# Altium PCB 2-quilter-output.PcbDoc (part 3 of 26) (continued)
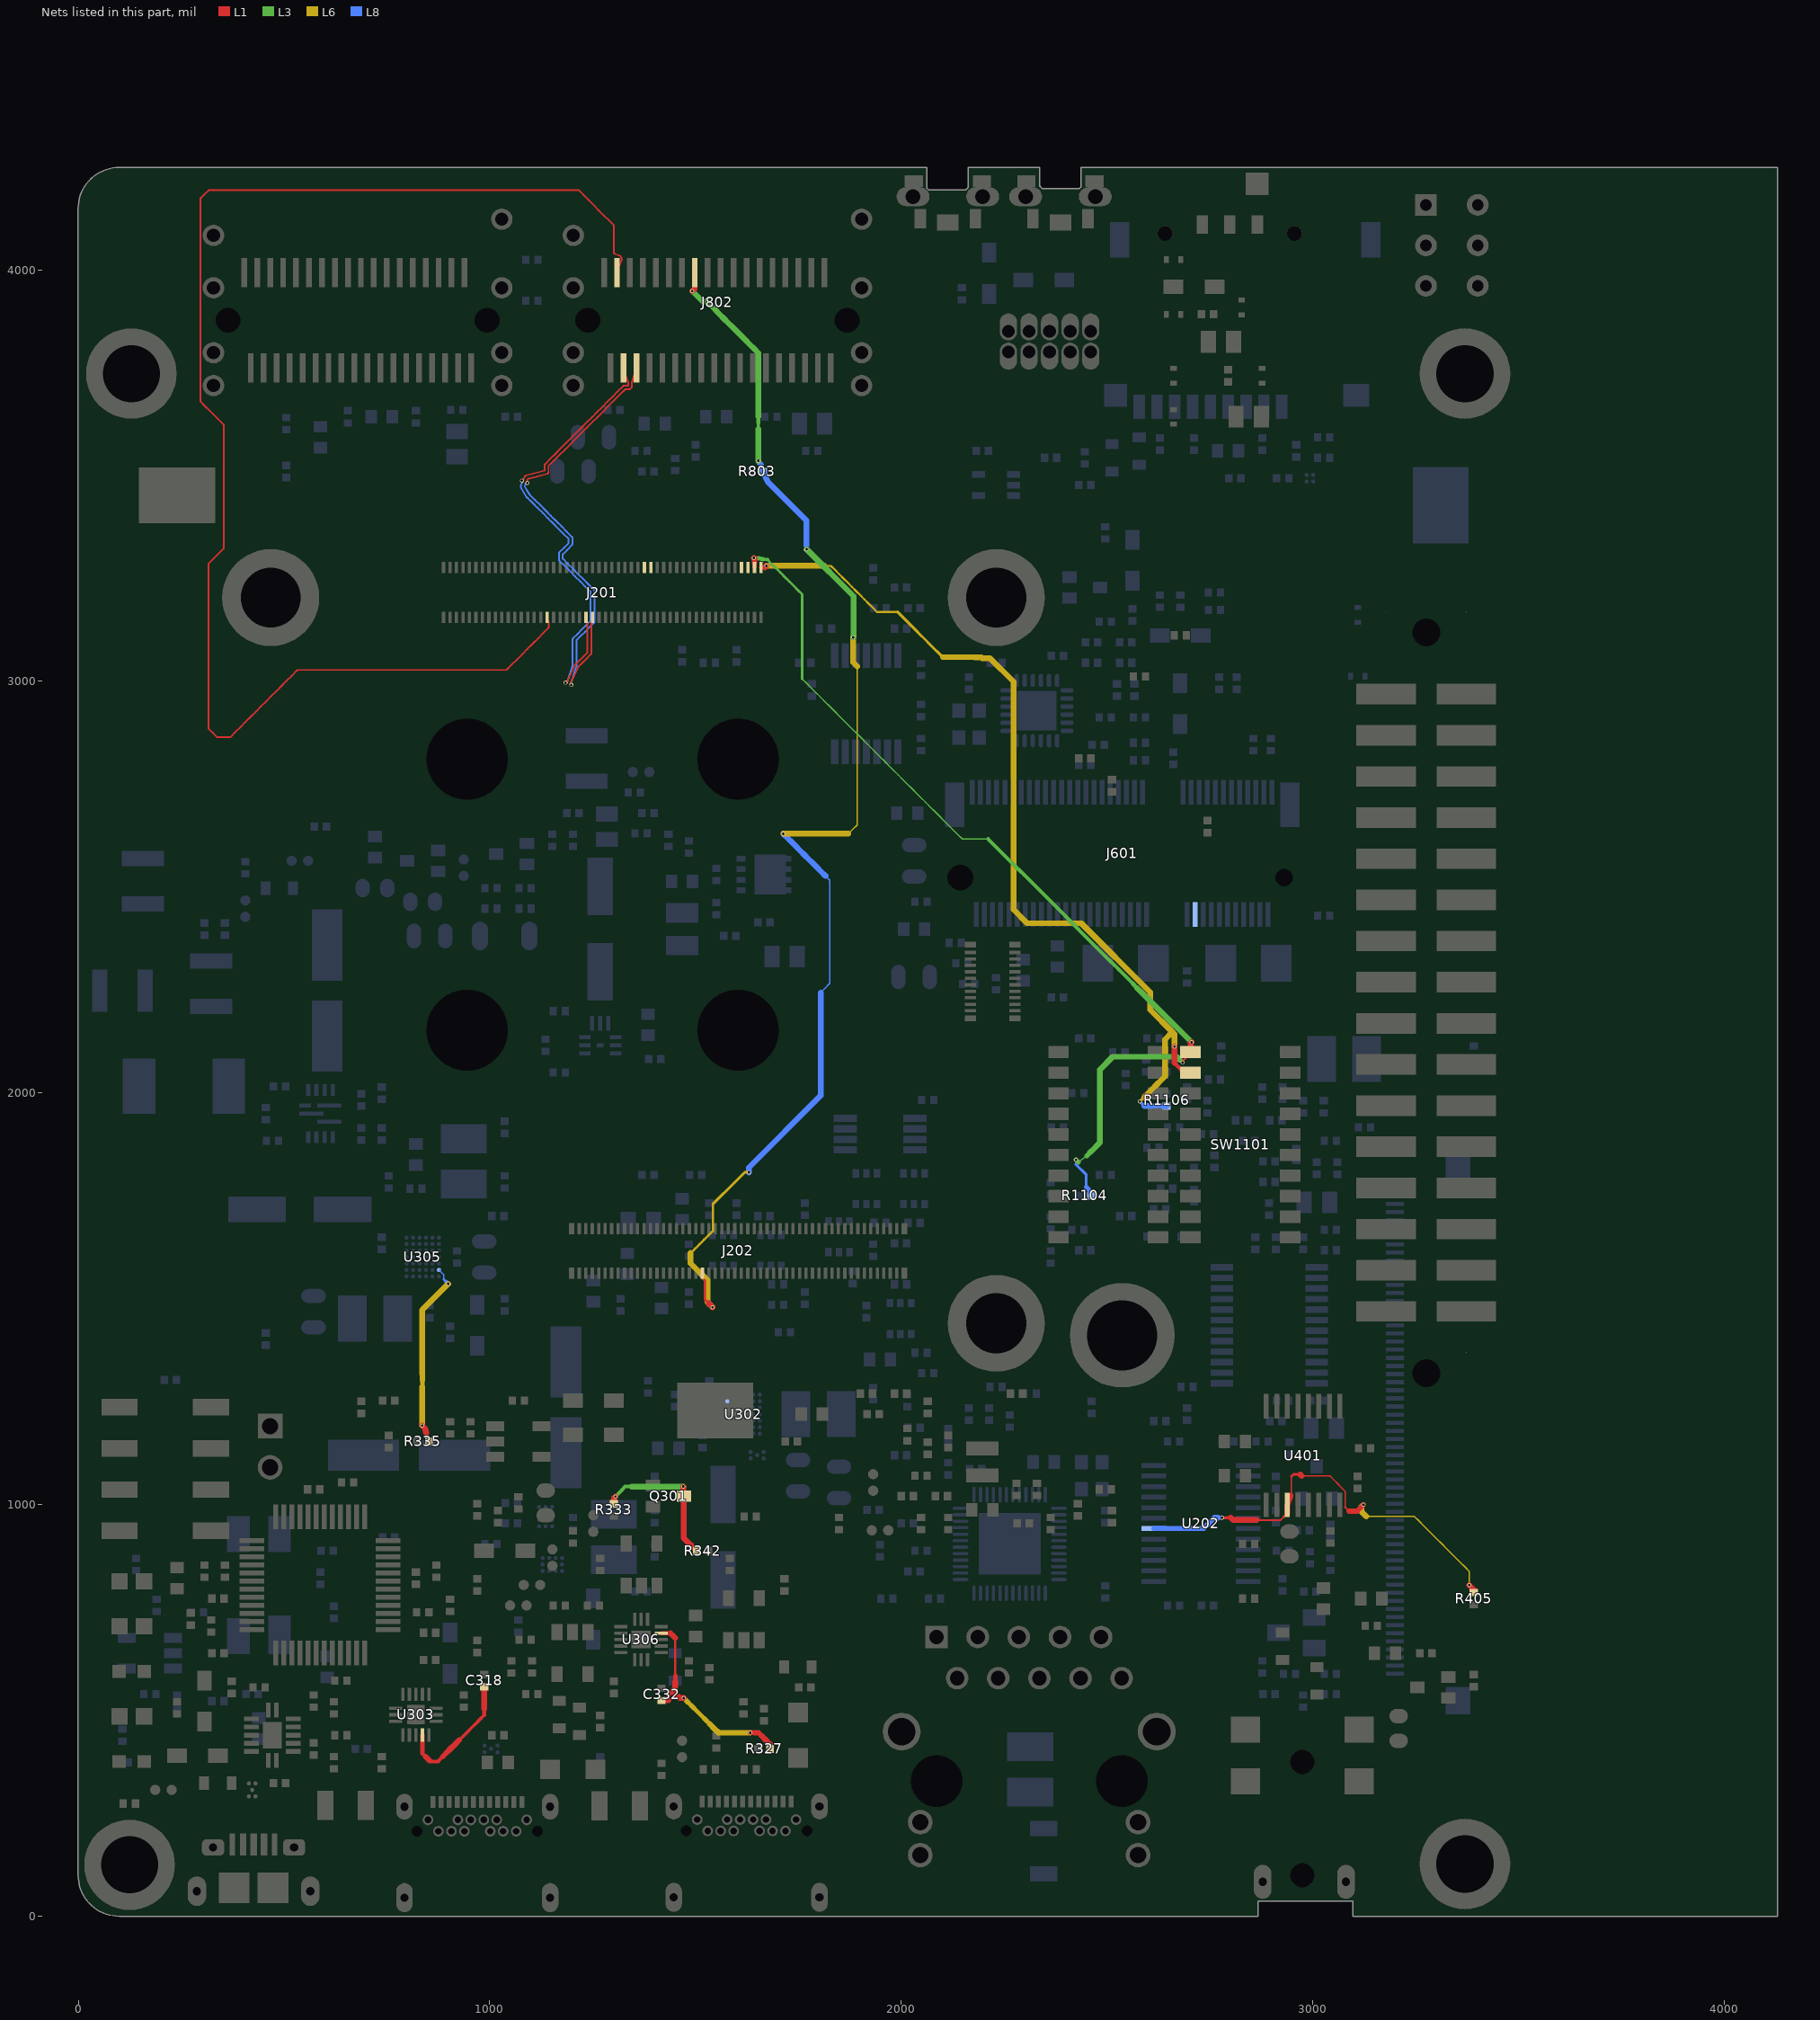
[diagram p9: the nets of this part, all layers, seen from the top]
## Part data (continued)
  C907: Part Reference=C907
  C908: Part Reference=C908
C920: library part CAP_NP, "CAP CER 0.033UF 10V 10% X7R 0402", AGILE_PN=150-80119, CAD_APPROVED=Yes, CLASS=DISCRETE, ClassName="C-14 Debug", FPLIST=CC0402_25,CC0402_HD,0402_CC, HEIGHT=0.55MM, MFG_NAME01="WALSIN TECHNOLOGY CORP.", MFG_PN01=0402B333K100CT, Part Reference=C920, PCB Footprint=0402_CC, RoHS=Yes
C1001: library part CAP_NP, "CAP CER 10UF 50V 10% X7R 1210", Tolerance=10%, Voltage=50V, AGILE_PN=150-78957, CAD_APPROVED=Yes, CLASS=DISCRETE, ClassName="C-15 Expansion CN Bot", FPLIST=CC1210,1210_CC, HEIGHT="2.8 MM", MFG_NAME01=MURATA, MFG_PN01=GRM32ER71H106KA12, Part Reference=C1001, PCB Footprint=CC1210, RoHS=Yes
D101: library part ZDIODE, "DIODE ZNR 200mA 2.4V AEC-Q101 SOD-523", Temp_Range="-65 to + 150¡ãC", AGILE_PN=480-79861, ASSY_OPT=DNP, CAD_APPROVED=Yes, CLASS=IC, ClassName="C-06 Power Bot", HEIGHT="0.65 MM", MFG_NAME01=NEXPERIA, MFG_PN01=BZX585-B2V4, Part Reference=D101, PCB Footprint=SOD523, RoHS=Yes
D301 D303: library part DIODE_TVS, "DIODE TVS 20V 400W AEC-Q101 SOD123W", AGILE_PN=480-79920, CAD_APPROVED=Yes, CLASS=IC, ClassName="C-08 USB TYPE-C DRP", HEIGHT=1.1MM, MFG_NAME01=Nexperia, MFG_PN01=PTVS20VS1UR, PCB Footprint=sod123w, RoHS=Yes
  D301: Part Reference=D301
  D303: Part Reference=D303
D308 D309 D310 D311 D312 D313 D601 D602 D603 D709 D907 D908 D909 D910: library part DIODE_SCHTKY, "DIODE SCH PWR RECT LOW VF 1A 20V SOD323", AGILE_PN=480-77923, CAD_APPROVED=Yes, CLASS=IC, HEIGHT=1.1MM, MFG_NAME01="ON Semiconductor", MFG_PN01=NSR0320MW2T1G, PCB Footprint=SOD323, RoHS=Yes
  D308: ClassName="C-08 USB TYPE-C DRP Bot 1", Part Reference=D308
  D309: ClassName="C-08 USB TYPE-C DRP Bot 1", Part Reference=D309
  D310: ClassName="C-08 USB TYPE-C DRP", Part Reference=D310
  D311: ClassName="C-08 USB TYPE-C DRP", Part Reference=D311
  D312: ClassName="C-08 USB TYPE-C DRP", Part Reference=D312
  D313: ClassName="C-08 USB TYPE-C DRP Bot 2", Part Reference=D313
  D601: ClassName="C-11 PCIe Bot", Part Reference=D601
  D602: ClassName="C-11 PCIe Bot", Part Reference=D602
  D603: ASSY_OPT=DNP, ClassName="C-11 PCIe Bot", Part Reference=D603
  D709: ClassName="C-12 MicroSD_Infrared_LED_BTN", Part Reference=D709
  D907: ClassName="C-14 Debug Bot 2", Part Reference=D907
  D908: ClassName="C-14 Debug Bot 2", Part Reference=D908
  D909: ClassName="C-14 Debug", Part Reference=D909
  D910: ClassName="C-14 Debug", Part Reference=D910
D702 D703 D704 D705 D706 D707 D1001 D1002: library part DIODE_TVS, "DIODE TVS ESD PROT ULT LOW CAP 5-5.4V SOD-923", AGILE_PN=480-77934, ASSY_OPT=DNP, CAD_APPROVED=Yes, CLASS=IC, HEIGHT=0.40MM, MFG_NAME01="ON SEMICONDUCTOR", MFG_PN01=ESD9L5.0ST5G, PCB Footprint=sod-923, RoHS=Yes
  D702: ClassName="C-12 MicroSD_Infrared_LED_BTN", Part Reference=D702
  D703: ClassName="C-12 MicroSD_Infrared_LED_BTN", Part Reference=D703
  D704: ClassName="C-12 MicroSD_Infrared_LED_BTN", Part Reference=D704
  D705: ClassName="C-12 MicroSD_Infrared_LED_BTN", Part Reference=D705
  D706: ClassName="C-12 MicroSD_Infrared_LED_BTN", Part Reference=D706
  D707: ClassName="C-12 MicroSD_Infrared_LED_BTN", Part Reference=D707
  D1001: ClassName="C-15 Expansion CN Bot 2", Part Reference=D1001
  D1002: ClassName="C-15 Expansion CN Bot 2", Part Reference=D1002
D708: library part LED, "LED RED SGL 25MA 0603", AGILE_PN=370-76658, CAD_APPROVED=Yes, CLASS=IC, ClassName="C-12 MicroSD_Infrared_LED_BTN", HEIGHT="0.8 MM", MFG_NAME01=DIALIGHT, MFG_PN01=598-8010-107F, Part Reference=D708, PCB Footprint=LED_0603, RoHS=Yes
D902 D906: library part LED, "LED GRN SGL 25MA SMT 0603", AGILE_PN=370-76672, CAD_APPROVED=Yes, CLASS=IC, ClassName="C-14 Debug", HEIGHT="0.8 MM", MFG_NAME01=DIALIGHT, MFG_PN01=598-8070-107F, PCB Footprint=LED_0603, RoHS=Yes
  D902: Part Reference=D902
  D906: Part Reference=D906
D903 D905: library part LED, "LED OR SGL 20MA 0603", AGILE_PN=370-76572, CAD_APPROVED=Yes, CLASS=IC, ClassName="C-14 Debug", HEIGHT=0.28MM, MFG_NAME01=KINGBRIGHT, MFG_PN01=APG1608SEKC/T, PCB Footprint=led_0603_11mil, RoHS=Yes
  D903: Part Reference=D903
  D905: Part Reference=D905
F301 F302: library part FUSE, "FUSE HIGH I2T 7A 32V 1206", AGILE_PN=510-77913, CAD_APPROVED=Yes, CLASS=DISCRETE, ClassName="C-08 USB TYPE-C DRP", HEIGHT=0.8639MM, MFG_NAME01=LITTELFUSE, MFG_PN01=0440007.WR, PCB Footprint=fuse_3p4x1p8, RoHS=Yes
  F301: Part Reference=F301
  F302: Part Reference=F302
J101: library part CONN_HDR_2X1, "HDR 1X2 TH 100MIL SP 339H AU 98L", AGILE_PN=210-75439, ASSY_OPT=DNP, CAD_APPROVED=YES, CLASS=IO, ClassName="C-06 Power 2", FPLIST=HDR102,SH_HDR102_BOTTOM, HEIGHT="8.71 MM", MFG_NAME01=SAMTEC, MFG_PN01=TSW-102-07-G-S, Part Reference=J101, PCB Footprint=HDR102, RoHS=Yes
J201: library part HDR_2X50_M, "CON 2X50 SKT SHRD SMT 0.4MM SP 65H AU", Temp_Range="-35C to +85C", AGILE_PN=211-80183, CAD_APPROVED=Yes, CLASS=IO, ClassName="C-07 CPU IO INTERFACE", HEIGHT="1.65 MM", MFG_NAME01=Hirose, MFG_PN01=DF40C-100DS-0.4V(51), Part Reference=J201, PCB Footprint=con100_0p4_22p8x3p1_sm, RoHS=Yes
J202: library part HDR_2X50_M, "CON 2X50 PLUG SHRD SMT 0.4MM SP 51H AU", Temp_Range="-35 to 85 &#8451;", AGILE_PN=211-80305, CAD_APPROVED=Yes, CLASS=IO, ClassName="C-07 CPU IO INTERFACE", HEIGHT=1.29MM, MFG_NAME01=Hirose, MFG_PN01=DF40C-100DP-0.4V(51), Part Reference=J202, PCB Footprint=con100_0p4_21p7x2p05_sm, RoHS=Yes
J203: library part CONN_HDR_10X2, "CON 2X10  PLUG SHRD SMT 0.4MM SP 65H AU", Temp_Range="-35C to 85C", AGILE_PN=211-80329, CAD_APPROVED=Yes, CLASS=IO, ClassName="C-07 CPU IO INTERFACE", HEIGHT=1.29MM, MFG_NAME01=Hirose, MFG_PN01=DF40C-20DP-0.4V(51), Part Reference=J203, PCB Footprint=con20_0p4_5p7x2p05_sm, RoHS=Yes
J301 J302: library part USB24_TYPEC_SH4, "CON 24 USB TYPE C RA SHLD HYBRID SMT-TH 0.5MM SP 134H AU", Temp_Range="-55¡ãC to +105¡ãC", AGILE_PN=211-80175, CAD_APPROVED=Yes, CLASS=IO, ClassName="C-08 USB TYPE-C DRP", HEIGHT="3.41 MM", MFG_NAME01="ANYTRONIC CORPORATION LIMITED", MFG_PN01=23K20101#LCP-582RF, PCB Footprint=con24_usb_typec_ra_smt_th, RoHS=Yes
  J301: Part Reference=J301
  J302: Part Reference=J302
J401: library part CON_KJ366EYS_AUDIOJACK_6P, "CON 6 AUDIO JACK 3.5MM SKT RA SMT -- 177H AU", Temp_Range="-25 to +85¡ãC", AGILE_PN=211-80200, CAD_APPROVED=Yes, CLASS=IO, ClassName="C-09 Audio DAC", HEIGHT=4.5MM, MFG_NAME01="FODOT ELECTRONICS CO.,LTD.", MFG_PN01=KJ366EYS-00RJ03B, Part Reference=J401, PCB Footprint=con6_audiojack_ra_th, RoHS=Yes
J501: library part RJ45_HR851178C, "CON 10 RJ45 SKT RA TH WITH G/Y LEDS 50MIL SP 611H -- 120L", Temp_Range="0C to 70C", AGILE_PN=210-81286, CAD_APPROVED=Yes, CLASS=IO, ClassName="C-10 Ethernet 1Gbps", HEIGHT=15.51MM, MFG_NAME01="HanRun Electronics Co., Ltd", MFG_PN01=HR851178C, Part Reference=J501, PCB Footprint=con_rj45_10f_100_th_ra, RoHS=Yes
J601: library part CON_67_FEMALE_RA_A, "CON 67 M.2 MINI CARD RA SMT 0P5MM SP 165H AU", Temp_Range="-40¡ãC to 80¡ãC", AGILE_PN=211-80089, CAD_APPROVED=Yes, CLASS=IO, ClassName="C-11 PCIe Bot", HEIGHT=4.2MM, MFG_NAME01="Amphenol Canada Corp", MFG_PN01=MDT420E01001, Part Reference=J601, PCB Footprint=con_75_0p5_22x9_ra, RoHS=Yes
J701: library part CONN_MICRO_SDCARD_9P, "CON 9 SD CARD PUSH SMT 1.1MM SP 81H AU", AGILE_PN=211-79878, CAD_APPROVED=Yes, CLASS=IO, ClassName="C-12 MicroSD_Infrared_LED_BTN Bot", HEIGHT="2.05 MM", MFG_NAME01="SHENZHEN ATOM TECHNOLOGY CO.,LTD", MFG_PN01=MR01A-01202, Part Reference=J701, PCB Footprint=con9_sdcard_1p1mm, RoHS=Yes
J801 J802: library part CONN_IPASS_36P, "CON 36 MINISAS IPASS 0.8MM SP 800H AU", AGILE_PN=211-79750, CAD_APPROVED=Yes, CLASS=IO, ClassName="C-13 MIPI-DSI_CSI", HEIGHT=20.31MM, MFG_NAME01=MOLEX, MFG_PN01=75784-0160, PCB Footprint=con_36_0p8_th, RoHS=Yes
  J801: Part Reference=J801
  J802: Part Reference=J802
J901: library part MICRO_USB_CONN_11PIN, "CON 1X5 MICROUSB_TYPE_B_FEMALE RA SHLD SMT 0.65MM SP 110H AU", AGILE_PN=211-79712, CAD_APPROVED=Yes, CLASS=IO, ClassName="C-14 Debug", HEIGHT=2.795MM, MFG_NAME01="SHENZHEN ATOM TECHNOLOGY CO.,LTD", MFG_PN01=USB205FB-C1013203, Part Reference=J901, PCB Footprint=con_usb_type_b_sm, RoHS=Yes
J902: library part CONN_HDR_5X2, "CONN,HEAD,2X5,STR,50/50 CON-2RH-10-50", AGILE_PN=210-07961-00, CAD_APPROVED=Yes, CLASS=IO, ClassName="C-14 Debug", FPLIST=CON_2RH_10_50,con_2rh_10_50_nsp, HEIGHT="3.91 MM", MFG_NAME01=SAMTEC, MFG_PN01=FTS-105-01-F-D, Part Reference=J902, PCB Footprint=CON_2RH_10_50, RoHS=Yes
J1001: library part CON_1X60, "CON 1X60 FPC/FFC RA SMT 0.5MM SP 126H AU", Temp_Range="-30C to +85C", AGILE_PN=211-80052, CAD_APPROVED=Yes, CLASS=IO, ClassName="C-15 Expansion CN Bot", HEIGHT=3.2MM, MFG_NAME01=OMRON, MFG_PN01=XF2M-6015-1AH, Part Reference=J1001, PCB Footprint=con_fpc_60f_0p5_sm_ra, RoHS=Yes
J1003: library part CONN_HDR_20X2, "HDR 2X20 SMT 2.54MM CTR 395H AU", Temp_Range="-55¡ãC ~ 125¡ãC", AGILE_PN=211-80156, CAD_APPROVED=Yes, CLASS=IO, ClassName="C-15 Expansion CN", HEIGHT=10.03MM, MFG_NAME01=Samtec, MFG_PN01=TSM-120-01-F-DV-A, Part Reference=J1003, PCB Footprint=hdr220_tsm_a_sm, RoHS=Yes
J1004: library part CONN_HDR_4X2, "CON 2X4 SKT SMT 2.54MM CTR 300H AU", AGILE_PN=211-79467, CAD_APPROVED=Yes, CLASS=IO, ClassName="C-15 Expansion CN", HEIGHT=7.62MM, MFG_NAME01=SAMTEC, MFG_PN01=SSM-104-L-DV, Part Reference=J1004, PCB Footprint=con_2x4_skt_100_sm, RoHS=Yes
L101: library part INDUCTOR, "IND -- 1.5UH@100KHZ 9A 20% SMT", Tolerance=20%, AGILE_PN=180-75776, CAD_APPROVED=Yes, CLASS=DISCRETE, ClassName="C-06 Power Bot", HEIGHT=3MM, MFG_NAME01="VISHAY INTERTECHNOLOGY", MFG_PN01=IHLP2525CZER1R5M01, Part Reference=L101, PART_TYPE=POWER, PCB Footprint=IND_IHLP, RoHS=Yes
L102: library part INDUCTOR, "IND PWR 0.47uH@1MHZ 4.7A 20% SMT", Temp_Range="-40¡ãC to +125¡ãC", Tolerance=20%, AGILE_PN=180-78647, CAD_APPROVED=Yes, CLASS=DISCRETE, ClassName="C-06 Power Bot", HEIGHT=1.2MM, MFG_NAME01="Shenzhen Sunlord Electronics Co., Ltd", MFG_PN01=WPN252012ER47MT, Part Reference=L102, PART_TYPE=INDUCTOR\POWER, PCB Footprint=ind_sph2520, RoHS=Yes, TOL=20%
L401 L501 L503 L601 L602 L901: library part BEAD_0, "IND FER BEAD 120OHM@100MHZ 2A 25% 0603", Tolerance=25%, AGILE_PN=180-78419, CAD_APPROVED=Yes, CLASS=DISCRETE, FPLIST=IND_0603,0603_CC, HEIGHT=0.95MM, MFG_NAME01=MURATA, MFG_PN01=BLM18PG121SN1D, PART_TYPE=FERRITE, PCB Footprint=0603_CC, RoHS=Yes
  L401: ClassName="C-09 Audio DAC", Part Reference=L401
  L501: ClassName="C-10 Ethernet 1Gbps Bot 1", Part Reference=L501
  L503: ClassName="C-10 Ethernet 1Gbps Bot 1", Part Reference=L503
  L601: ClassName="C-11 PCIe Bot", Part Reference=L601
  L602: ClassName="C-11 PCIe Bot", Part Reference=L602
  L901: ClassName="C-14 Debug", Part Reference=L901
L502: library part INDUCTOR, "IND PWR 4.7uH@100KHZ 0.84A 20% AUTO SMD", Tolerance=20%, AGILE_PN=180-78093, CAD_APPROVED=Yes, CLASS=DISCRETE, ClassName="C-10 Ethernet 1Gbps", HEIGHT=1.2MM, MFG_NAME01="SHENZHEN SUNLORD ELECTRONICS CO., LTD", MFG_PN01=SWPA252012S4R7MT, Part Reference=L502, PART_TYPE=INDUCTOR\POWER, PCB Footprint=ind_vls252010, RoHS=Yes
Q101: library part MOSFET_P_5P_SO8, "TRAN PMOS 30V 50A DFN3X3EP", AGILE_PN=480-78892, CAD_APPROVED=Yes, CLASS=IC, ClassName="C-06 Power Bot", HEIGHT=0.8MM, MFG_NAME01="Alpha and Omega Semiconductor", MFG_PN01=AON7405, Part Reference=Q101, PCB Footprint=dfn3p3x3p3_8l_ex, RoHS=Yes
Q102 Q301 Q604 Q903 Q1003: library part NX3008NBKW_SOT323, "TRAN NMOS SW 30V 350mA AEC-Q101 SC-70", AGILE_PN=480-79736, CAD_APPROVED=Yes, CLASS=IC, HEIGHT=1.1MM, MFG_NAME01=NEXPERIA, MFG_PN01=NX3008NBKW,115, PCB Footprint=sc70_3, RoHS=Yes
  Q102: ClassName="C-06 Power Bot", Part Reference=Q102
  Q301: ClassName="C-08 USB TYPE-C DRP", Part Reference=Q301
  Q604: ClassName="C-11 PCIe Bot", Part Reference=Q604
  Q903: ClassName="C-06 Power Bot", Part Reference=Q903
  Q1003: ClassName="C-15 Expansion CN", Part Reference=Q1003
Q1001: library part MOSFET_P, "TRAN PMOS PWR 3.1A 30V SOT23", AGILE_PN=480-77921, CAD_APPROVED=Yes, CLASS=IC, ClassName="C-15 Expansion CN Bot", HEIGHT=1.12MM, MFG_NAME01="VISHAY INTERTECHNOLOGY", MFG_PN01=SI2343DS-T1-E3, Part Reference=Q1001, PCB Footprint=sot-23, RoHS=Yes
Q1002: library part MOSFET_N, "TRAN NMOS SW 300mA 60V SOT23", AGILE_PN=480-78864, CAD_APPROVED=Yes, CLASS=IC, ClassName="C-15 Expansion CN Bot", HEIGHT="1.1 MM", MFG_NAME01=NEXPERIA, MFG_PN01=2N7002,215, Part Reference=Q1002, PCB Footprint=SOT23_A, RoHS=Yes
R101: library part RES, "RES MF 1.4M 1/10W 1% AEC-Q200 0603", Temp_Range="-55¡ãC to +155¡ãC", Tolerance=1%, AGILE_PN=470-78198, CAD_APPROVED=Yes, CLASS=DISCRETE, ClassName="C-06 Power Bot", FPLIST=RC0603_OV,RC0603,0603_CC, HEIGHT=0.55MM, MFG_NAME01="KOA SPEER", MFG_PN01=RK73H1JTTD1404F, Part Reference=R101, PCB Footprint=RC0603_OV, RoHS=Yes
R102: library part RES, "RES MF 3.3 OHM  1/8W 1% AEC-Q200 0603", Temp_Range="-55¡ãC to +155¡ãC", Tolerance=1%, AGILE_PN=470-77775, CAD_APPROVED=Yes, CLASS=DISCRETE, ClassName="C-06 Power Bot", FPLIST=RC0603_OV,RC0603,0603_CC, HEIGHT=0.55MM, MFG_NAME01="KOA SPEER", MFG_PN01=RK73H1JTTD3R30F, Part Reference=R102, PCB Footprint=0603_CC, RoHS=Yes
R103: library part RES, "RES MF ZERO OHM 1/4W -- 1206", AGILE_PN=470-80565, CAD_APPROVED=Yes, CLASS=DISCRETE, ClassName="C-06 Power Bot", FPLIST=RC1206_OV,RC1206,1206_CC, HEIGHT="0.75 MM", MFG_NAME01=BOURNS, MFG_PN01=CR1206J/000ELF, Part Reference=R103, PCB Footprint=RC1206_OV, RoHS=Yes
R105: library part RES, "RES MF 43.0K 1/16W 1% 0402", Tolerance=1%, AGILE_PN=470-77562, CAD_APPROVED=Yes, CLASS=DISCRETE, ClassName="C-06 Power Bot", FPLIST=RC0402_25,RC0402_HD,0402_CC, HEIGHT=0.4MM, MFG_NAME01="VISHAY INTERTECHNOLOGY", MFG_PN01=CRCW040243K0FKED, Part Reference=R105, PCB Footprint=RC0402_25, RoHS=Yes
R107 R108 R112 R115 R133 R215 R328 R329 R330 R331 R355: library part RES, "RES MF 100K 1/16W 1% 0402", Tolerance=1%, AGILE_PN=470-76240, CAD_APPROVED=Yes, CLASS=DISCRETE, FPLIST=RC0402_25,RC0402_HD,0402_CC, HEIGHT=0.4MM, MFG_NAME01="YAGEO AMERICA", MFG_PN01=RC0402FR-07100KL, PCB Footprint=0402_CC, RoHS=Yes
  R107: ClassName="C-06 Power Bot", Part Reference=R107
  R108: ASSY_OPT=DNP, ClassName="C-06 Power Bot", Part Reference=R108
  R112: ClassName="C-06 Power Bot", Part Reference=R112
  R115: ClassName="C-06 Power Bot", Part Reference=R115
  R133: ClassName="C-06 Power Bot", Part Reference=R133
  R215: ClassName="C-07 CPU IO INTERFACE Bot 5", Part Reference=R215
  R328: ClassName="C-08 USB TYPE-C DRP Bot 1", Part Reference=R328
  R329: ClassName="C-08 USB TYPE-C DRP Bot 1", Part Reference=R329
  R330: ClassName="C-08 USB TYPE-C DRP Bot 2", Part Reference=R330
  R331: ClassName="C-08 USB TYPE-C DRP Bot 2", Part Reference=R331
  R355: ClassName="C-08 USB TYPE-C DRP", Part Reference=R355
R109: library part RES, "RES MF 5.6K  1/16W 1% 0402", Temp_Range="-55¡ãC ~ 155¡ãC", Tolerance=1%, AGILE_PN=470-30919, CAD_APPROVED=Yes, CLASS=DISCRETE, ClassName="C-06 Power Bot", FPLIST=RC0402_25,RC0402_HD,0402_CC, HEIGHT="0.40 MM", MFG_NAME01="YAGEO AMERICA", MFG_PN01=RC0402FR-075K6L, Part Reference=R109, PCB Footprint=RC0402_25, RoHS=Yes
R110: library part RES, "RES MF 187K 1/16W 1% 0402", Temp_Range="-55C to +155C", Tolerance=1%, AGILE_PN=470-31090, CAD_APPROVED=Yes, CLASS=DISCRETE, ClassName="C-06 Power Bot", FPLIST=RC0402_25,RC0402_HD,0402_CC, HEIGHT="0.40 MM", MFG_NAME01="WALSIN TECHNOLOGY CORP.", MFG_PN01=WR04X1873FTL, Part Reference=R110, PCB Footprint=0402_CC, RoHS=Yes
R111: library part RES, "RES MF 41.2K 1/10W 1% AEC-Q200 0402", Temp_Range="-55C to +155C", Tolerance=1%, AGILE_PN=470-81721, CAD_APPROVED=Yes, CLASS=DISCRETE, ClassName="C-06 Power Bot", FPLIST=RC0402_25,RC0402_HD,0402_CC, HEIGHT="0.40 MM", MFG_NAME01="KOA SPEER", MFG_PN01=RK73H1ETTP4122F, Part Reference=R111, PCB Footprint=RC0402_25, RoHS=Yes
R113 R201 R202 R203 R204 R205 R206 R207 R208 R209 R214 R327 R342 R344 R345 R346 R405 R406 R506 R509 R516 R517 R518 R519 R520 R521 R522 R523 R524 R525 R526 R623 R626 R627 R801 R802 R803 R804 R805 R806 R917 R918 R919 R926 R1031 R1033: library part RES, "RES MF 10K 1/16W 5% 0402", Tolerance=5%, AGILE_PN=470-75557, CAD_APPROVED=Yes, CLASS=DISCRETE, FPLIST=RC0402_25,RC0402_HD,0402_CC, HEIGHT="0.4 MM", MFG_NAME01="VISHAY INTERTECHNOLOGY", MFG_PN01=CRCW040210K0JNED, PCB Footprint=0402_CC, RoHS=Yes
  R113: ClassName="C-06 Power Bot", Part Reference=R113
  R201: ClassName="C-07 CPU IO INTERFACE Bot 2", Part Reference=R201
  R202: ClassName="C-07 CPU IO INTERFACE Bot 2", Part Reference=R202
  R203: ClassName="C-07 CPU IO INTERFACE Bot 2", Part Reference=R203
  R204: ClassName="C-07 CPU IO INTERFACE Bot 2", Part Reference=R204
  R205: ClassName="C-07 CPU IO INTERFACE Bot 2", Part Reference=R205
  R206: ClassName="C-07 CPU IO INTERFACE Bot 2", Part Reference=R206
  R207: ClassName="C-07 CPU IO INTERFACE Bot 2", Part Reference=R207
  R208: ClassName="C-07 CPU IO INTERFACE Bot 2", Part Reference=R208
  R209: ClassName="C-07 CPU IO INTERFACE Bot 5", Part Reference=R209
  R214: ClassName="C-07 CPU IO INTERFACE Bot 2", Part Reference=R214
  R327: ASSY_OPT=DNP, ClassName="C-08 USB TYPE-C DRP", Part Reference=R327
  R342: ClassName="C-08 USB TYPE-C DRP", Part Reference=R342
  R344: ClassName="C-08 USB TYPE-C DRP", Part Reference=R344
  R345: ClassName="C-08 USB TYPE-C DRP", Part Reference=R345
  R346: ClassName="C-08 USB TYPE-C DRP", Part Reference=R346, TOL=5%
  R405: ClassName="C-09 Audio DAC", Part Reference=R405
  R406: ClassName="C-09 Audio DAC", Part Reference=R406
  R506: ClassName="C-10 Ethernet 1Gbps Bot 1", Part Reference=R506
  R509: ClassName="C-10 Ethernet 1Gbps Bot 1", Part Reference=R509
  R516: ASSY_OPT=DNP, ClassName="C-10 Ethernet 1Gbps Bot 1", Part Reference=R516
  R517: ClassName="C-10 Ethernet 1Gbps Bot 1", Part Reference=R517
  R518: ClassName="C-10 Ethernet 1Gbps Bot 1", Part Reference=R518
  R519: ASSY_OPT=DNP, ClassName="C-10 Ethernet 1Gbps Bot 1", Part Reference=R519
  R520: ClassName="C-10 Ethernet 1Gbps Bot 1", Part Reference=R520
  R521: ClassName="C-10 Ethernet 1Gbps Bot 1", Part Reference=R521
  R522: ClassName="C-10 Ethernet 1Gbps Bot 1", Part Reference=R522
  R523: ClassName="C-10 Ethernet 1Gbps Bot 1", Part Reference=R523
  R524: ClassName="C-10 Ethernet 1Gbps Bot 1", Part Reference=R524
  R525: ClassName="C-10 Ethernet 1Gbps Bot 1", Part Reference=R525
  R526: ClassName="C-10 Ethernet 1Gbps", Part Reference=R526
  R623: ClassName="C-11 PCIe Bot", Part Reference=R623
  R626: ASSY_OPT=DNP, ClassName="C-11 PCIe Bot", Part Reference=R626
  R627: ClassName="C-11 PCIe Bot", Part Reference=R627
  R801: ClassName="C-13 MIPI-DSI_CSI Bot", Part Reference=R801
  R802: ClassName="C-13 MIPI-DSI_CSI Bot", Part Reference=R802
  R803: ClassName="C-13 MIPI-DSI_CSI Bot", Part Reference=R803
  R804: ClassName="C-13 MIPI-DSI_CSI Bot", Part Reference=R804
  R805: ClassName="C-13 MIPI-DSI_CSI Bot", Part Reference=R805
  R806: ClassName="C-13 MIPI-DSI_CSI Bot", Part Reference=R806
  R917: ASSY_OPT=DNP, ClassName="C-14 Debug", Part Reference=R917
  R918: ASSY_OPT=DNP, ClassName="C-14 Debug", Part Reference=R918
  R919: ASSY_OPT=DNP, ClassName="C-14 Debug Bot 2", Part Reference=R919
  R926: ClassName="C-14 Debug", Part Reference=R926
  R1031: ClassName="C-15 Expansion CN Bot", Part Reference=R1031
  R1033: ClassName="C-15 Expansion CN", Part Reference=R1033
R114 R131 R307 R320 R343 R360 R713 R902 R903 R915 R916 R1032: library part RES, "RES MF 1.0K 1/16W 5% 0402", Tolerance=5%, AGILE_PN=470-75555, CAD_APPROVED=Yes, CLASS=DISCRETE, FPLIST=RC0402_25,RC0402_HD,RC0402_X2,0402_CC, HEIGHT=0.41mm, MFG_NAME01="VISHAY INTERTECHNOLOGY", MFG_PN01=CRCW04021K00JNED, PCB Footprint=0402_CC, RoHS=Yes
  R114: ASSY_OPT=DNP, ClassName="C-06 Power Bot", Part Reference=R114
  R131: ASSY_OPT=DNP, ClassName="C-06 Power Bot", Part Reference=R131
  R307: ClassName="C-08 USB TYPE-C DRP", Part Reference=R307, TOL=5%
  R320: ClassName="C-08 USB TYPE-C DRP", Part Reference=R320, TOL=5%
  R343: ClassName="C-08 USB TYPE-C DRP", Part Reference=R343, TOL=5%
  R360: ClassName="C-08 USB TYPE-C DRP", Part Reference=R360, TOL=5%
  R713: ClassName="C-12 MicroSD_Infrared_LED_BTN Bot", Part Reference=R713
  R902: ClassName="C-14 Debug Bot", Part Reference=R902
  R903: ClassName="C-14 Debug Bot", Part Reference=R903
  R915: ClassName="C-14 Debug Bot", Part Reference=R915
  R916: ClassName="C-14 Debug Bot", Part Reference=R916
  R1032: ClassName="C-15 Expansion CN", Part Reference=R1032
R120 R601 R602 R811 R812 R1001 R1034: library part RES, "RES MF ZERO OHM 1/8W -- 0805", Tolerance=5%, AGILE_PN=470-75442, CAD_APPROVED=Yes, CLASS=DISCRETE, FPLIST=RC0805_OV,RC0805,RC0805_OV_3P,0805_CC, HEIGHT="0.7 MM", MFG_NAME01="YAGEO AMERICA", MFG_PN01=RC0805JR-070RL, RoHS=Yes
  R120: ASSY_OPT=DNP, ClassName="C-06 Power Bot", Part Reference=R120, PCB Footprint=0805_CC
  R601: ASSY_OPT=DNP, ClassName="C-11 PCIe Bot", Part Reference=R601, PCB Footprint=RC0805_OV
  R602: ClassName="C-11 PCIe Bot", Part Reference=R602, PCB Footprint=RC0805_OV
  R811: ClassName="C-13 MIPI-DSI_CSI Bot", Part Reference=R811, PCB Footprint=RC0805_OV
  R812: ASSY_OPT=DNP, ClassName="C-13 MIPI-DSI_CSI Bot", Part Reference=R812, PCB Footprint=RC0805_OV
  R1001: ClassName="C-15 Expansion CN Bot", Part Reference=R1001, PCB Footprint=0805_CC
  R1034: ASSY_OPT=DNP, ClassName="C-15 Expansion CN Bot", Part Reference=R1034, PCB Footprint=0805_CC
R125 R134 R1029: library part RES, "RES MF 22K 1/16W 5% 0402", Tolerance=5%, AGILE_PN=470-75609, CAD_APPROVED=Yes, CLASS=DISCRETE, FPLIST=RC0402_25,RC0402_HD,0402_CC, HEIGHT=0.41mm, MFG_NAME01=SMEC, MFG_PN01=RC73L2Z223JTF, PCB Footprint=0402_CC, RoHS=Yes
  R125: ClassName="C-06 Power Bot", Part Reference=R125
  R134: ClassName="C-06 Power Bot", Part Reference=R134
  R1029: ClassName="C-15 Expansion CN Bot", Part Reference=R1029
R129 R924 R1101 R1103 R1105 R1107 R1109 R1111 R1113 R1115 R1117 R1119 R1121 R1123 R1125 R1127 R1129 R1131 R1133 R1135 R1137 R1138: library part RES, "RES MF 4.7K OHM 1/16W 1% 0402", Tolerance=1%, AGILE_PN=470-80911, CAD_APPROVED=Yes, CLASS=DISCRETE, FPLIST=RC0402_25,RC0402_HD,0402_CC, HEIGHT=0.4MM, MFG_NAME01=yageo, MFG_PN01=RC0402FR-074K7L, PCB Footprint=0402_CC, RoHS=Yes
  R129: ClassName="C-06 Power Bot", Part Reference=R129
  R924: ClassName="C-14 Debug", Part Reference=R924
  R1101: ClassName="X-16 BOOT CFG Bot", Part Reference=R1101
  R1103: ClassName="X-16 BOOT CFG Bot", Part Reference=R1103
  R1105: ClassName="X-16 BOOT CFG Bot", Part Reference=R1105
  R1107: ClassName="X-16 BOOT CFG Bot", Part Reference=R1107
  R1109: ClassName="X-16 BOOT CFG Bot", Part Reference=R1109
  R1111: ClassName="X-16 BOOT CFG Bot", Part Reference=R1111
  R1113: ClassName="X-16 BOOT CFG Bot", Part Reference=R1113
  R1115: ClassName="X-16 BOOT CFG Bot", Part Reference=R1115
  R1117: ClassName="X-16 BOOT CFG Bot", Part Reference=R1117
  R1119: ClassName="X-16 BOOT CFG Bot", Part Reference=R1119
  R1121: ClassName="X-16 BOOT CFG Bot", Part Reference=R1121
  R1123: ClassName="X-16 BOOT CFG Bot", Part Reference=R1123
  R1125: ClassName="X-16 BOOT CFG Bot", Part Reference=R1125
  R1127: ClassName="X-16 BOOT CFG Bot", Part Reference=R1127
  R1129: ClassName="X-16 BOOT CFG Bot", Part Reference=R1129
  R1131: ClassName="X-16 BOOT CFG Bot", Part Reference=R1131
  R1133: ClassName="X-16 BOOT CFG Bot", Part Reference=R1133
  R1135: ClassName="X-16 BOOT CFG Bot", Part Reference=R1135
  R1137: ClassName="X-16 BOOT CFG Bot", Part Reference=R1137
  R1138: ClassName="X-16 BOOT CFG Bot", Part Reference=R1138
R135: library part RES, "RES MF 499K 1/10W 1% AEC-Q200 0402", Temp_Range="-55C to +155C", Tolerance=1%, AGILE_PN=470-81910, ASSY_OPT=DNP, CAD_APPROVED=Yes, CLASS=DISCRETE, ClassName="C-06 Power Bot", FPLIST=RC0402_25,RC0402_HD,0402_CC, HEIGHT="0.40 MM", MFG_NAME01="KOA SPEER", MFG_PN01=RK73H1ETTP4993F, Part Reference=R135, PCB Footprint=0402_CC, RoHS=Yes
R136: library part RES, "RES MF 499 OHM 1/16W 1% 0402", Tolerance=1%, AGILE_PN=470-30807, ASSY_OPT=DNP, CAD_APPROVED=Yes, CLASS=DISCRETE, ClassName="C-06 Power Bot", FPLIST=RC0402_25,RC0402_HD,0402_CC, HEIGHT="0.40 MM", MFG_NAME01=ROHM, MFG_PN01=MCR01MZPF4990, Part Reference=R136, PCB Footprint=0402_CC, RoHS=Yes
R137: library part RES, "RES MF 1.5M 1/8W 1% 0805", Temp_Range="-55¡ãC ~ 155¡ãC", Tolerance=1%, AGILE_PN=470-82360, CAD_APPROVED=Yes, CLASS=DISCRETE, ClassName="C-06 Power Bot", FPLIST=RC0805_OV,RC0805,0805_CC, HEIGHT=0.6MM, MFG_NAME01="YAGEO AMERICA", MFG_PN01=RC0805FR-071M5L, Part Reference=R137, PCB Footprint=RC0805_OV, PRE_APN=470-82360, RoHS=Yes
R138: library part RES, "RES MF 1.2M 1/10W 1% AEC-Q200 0603", Temp_Range="-55¡ãC to +155¡ãC", Tolerance=1%, AGILE_PN=470-78191, CAD_APPROVED=Yes, CLASS=DISCRETE, ClassName="C-06 Power Bot", FPLIST=RC0603_OV,RC0603,0603_CC, HEIGHT=0.55MM, MFG_NAME01="KOA SPEER", MFG_PN01=RK73H1JTTD1204F, Part Reference=R138, PCB Footprint=RC0603_OV, RoHS=Yes
R139: library part RES, "RES MF 118K  1/16W 1% 0402", Temp_Range="-55¡ãC ~ 155¡ãC", Tolerance=1%, AGILE_PN=470-31068, CAD_APPROVED=Yes, CLASS=DISCRETE, ClassName="C-06 Power Bot", FPLIST=RC0402_25,RC0402_HD,0402_CC, HEIGHT="0.40 MM", MFG_NAME01="YAGEO AMERICA", MFG_PN01=RC0402FR-07118KL, Part Reference=R139, PCB Footprint=RC0402_25, RoHS=Yes
R140 R210 R211 R212 R213 R216 R217 R218 R219 R302 R303 R305 R308 R309 R310 R311 R312 R332 R334 R335 R336 R337 R338 R339 R340 R341 R349 R350 R353 R354 R401 R402 R501 R502 R503 R511 R512 R530 R531 R532 R533 R534 R535 R536 R537 R538 R539 R540 R541 R542 R543 R544 R603 R604 R610 R611 R612 R613 R614 R615 R616 R617 R618 R619 R620 R624 R625 R629 R630 R631 R632 R702 R704 R705 R707 R708 R709 R807 R808 R809 R810 R908 R909 R910 R911 R921 R922 R923 R927 R928 R1003 R1004 R1005 R1006 R1009 R1010 R1011 R1012 R1013 R1014 R1015 R1016 R1017 R1018 R1019 R1020 R1021 R1022 R1023 R1024 R1025 R1026 R1027 R1028: library part RES, "RES MF ZERO OHM 1/16W 5% 0402", Tolerance=5%, AGILE_PN=470-75394, CAD_APPROVED=Yes, CLASS=DISCRETE, FPLIST=RC0402_25,RC0402_HD,RC0402_X2,0402_CC, HEIGHT="0.45 MM", MFG_NAME01=ROHM, MFG_PN01=MCR01MZPJ000, PCB Footprint=0402_CC, RoHS=Yes
  R140: ClassName="C-06 Power Bot", Part Reference=R140, SIGNAL_MODEL=RES_0402_CC_DISCRETE_470-75394__0
  R210: ASSY_OPT=DNP, ClassName="C-07 CPU IO INTERFACE Bot 3", Part Reference=R210
  R211: ClassName="C-07 CPU IO INTERFACE 2", Part Reference=R211
  R212: ClassName="C-07 CPU IO INTERFACE Bot 5", Part Reference=R212
  R213: ClassName="C-07 CPU IO INTERFACE Bot 5", Part Reference=R213
  R216: ClassName="C-07 CPU IO INTERFACE Bot 1", Part Reference=R216
  R217: ClassName="C-07 CPU IO INTERFACE Bot 4", Part Reference=R217
  R218: ASSY_OPT=DNP, ClassName="C-07 CPU IO INTERFACE Bot 3", Part Reference=R218
  R219: ASSY_OPT=DNP, ClassName="C-07 CPU IO INTERFACE Bot 4", Part Reference=R219
  R302: ClassName="C-08 USB TYPE-C DRP", Part Reference=R302
  R303: ClassName="C-08 USB TYPE-C DRP", Part Reference=R303
  R305: ClassName="C-08 USB TYPE-C DRP Bot 1", Part Reference=R305
  R308: ClassName="C-08 USB TYPE-C DRP Bot 1", Part Reference=R308
  R309: ClassName="C-08 USB TYPE-C DRP", Part Reference=R309
  R310: ClassName="C-08 USB TYPE-C DRP", Part Reference=R310
  R311: ClassName="C-08 USB TYPE-C DRP Bot 2", Part Reference=R311
  R312: ClassName="C-08 USB TYPE-C DRP Bot 2", Part Reference=R312
  R332: ClassName="C-08 USB TYPE-C DRP", Part Reference=R332
  R334: ClassName="C-08 USB TYPE-C DRP", Part Reference=R334
  R335: ClassName="C-08 USB TYPE-C DRP", Part Reference=R335
  R336: ASSY_OPT=DNP, ClassName="C-08 USB TYPE-C DRP Bot 1", Part Reference=R336
  R337: ASSY_OPT=DNP, ClassName="C-08 USB TYPE-C DRP Bot 1", Part Reference=R337
  R338: ASSY_OPT=DNP, ClassName="C-08 USB TYPE-C DRP Bot 1", Part Reference=R338
  R339: ASSY_OPT=DNP, ClassName="C-08 USB TYPE-C DRP Bot 1", Part Reference=R339
  R340: ClassName="C-08 USB TYPE-C DRP", Part Reference=R340
  R341: ClassName="C-08 USB TYPE-C DRP", Part Reference=R341
  R349: ClassName="C-08 USB TYPE-C DRP", Part Reference=R349
  R350: ClassName="C-08 USB TYPE-C DRP", Part Reference=R350
  R353: ClassName="C-08 USB TYPE-C DRP Bot 1", Part Reference=R353
  R354: ClassName="C-08 USB TYPE-C DRP Bot 2", Part Reference=R354
  R401: ClassName="C-09 Audio DAC", Part Reference=R401
  R402: ClassName="C-09 Audio DAC", Part Reference=R402
  R501: ASSY_OPT=DNP, ClassName="C-10 Ethernet 1Gbps", Part Reference=R501
  R502: ClassName="C-10 Ethernet 1Gbps", Part Reference=R502
  R503: ASSY_OPT=DNP, ClassName="C-10 Ethernet 1Gbps Bot 1", Part Reference=R503
  R511: ASSY_OPT=DNP, ClassName="C-10 Ethernet 1Gbps Bot 1", Part Reference=R511, SIGNAL_MODEL=RES_0402_CC_DISCRETE_470-75394__0
  R512: ASSY_OPT=DNP, ClassName="C-10 Ethernet 1Gbps Bot 1", Part Reference=R512, SIGNAL_MODEL=RES_0402_CC_DISCRETE_470-75394__0
  R530: ASSY_OPT=DNP, ClassName="C-10 Ethernet 1Gbps Bot 1", Part Reference=R530, SIGNAL_MODEL=RES_0402_CC_DISCRETE_470-75394__0
  R531: ASSY_OPT=DNP, ClassName="C-10 Ethernet 1Gbps Bot 1", Part Reference=R531, SIGNAL_MODEL=RES_0402_CC_DISCRETE_470-75394__0
  R532: ASSY_OPT=DNP, ClassName="C-10 Ethernet 1Gbps Bot 1", Part Reference=R532, SIGNAL_MODEL=RES_0402_CC_DISCRETE_470-75394__0
  R533: ASSY_OPT=DNP, ClassName="C-10 Ethernet 1Gbps Bot 1", Part Reference=R533, SIGNAL_MODEL=RES_0402_CC_DISCRETE_470-75394__0
  R534: ASSY_OPT=DNP, ClassName="C-10 Ethernet 1Gbps Bot 1", Part Reference=R534, SIGNAL_MODEL=RES_0402_CC_DISCRETE_470-75394__0